# KiCad board DIP8breakout+potToUSB.kicad_pcb (continued)
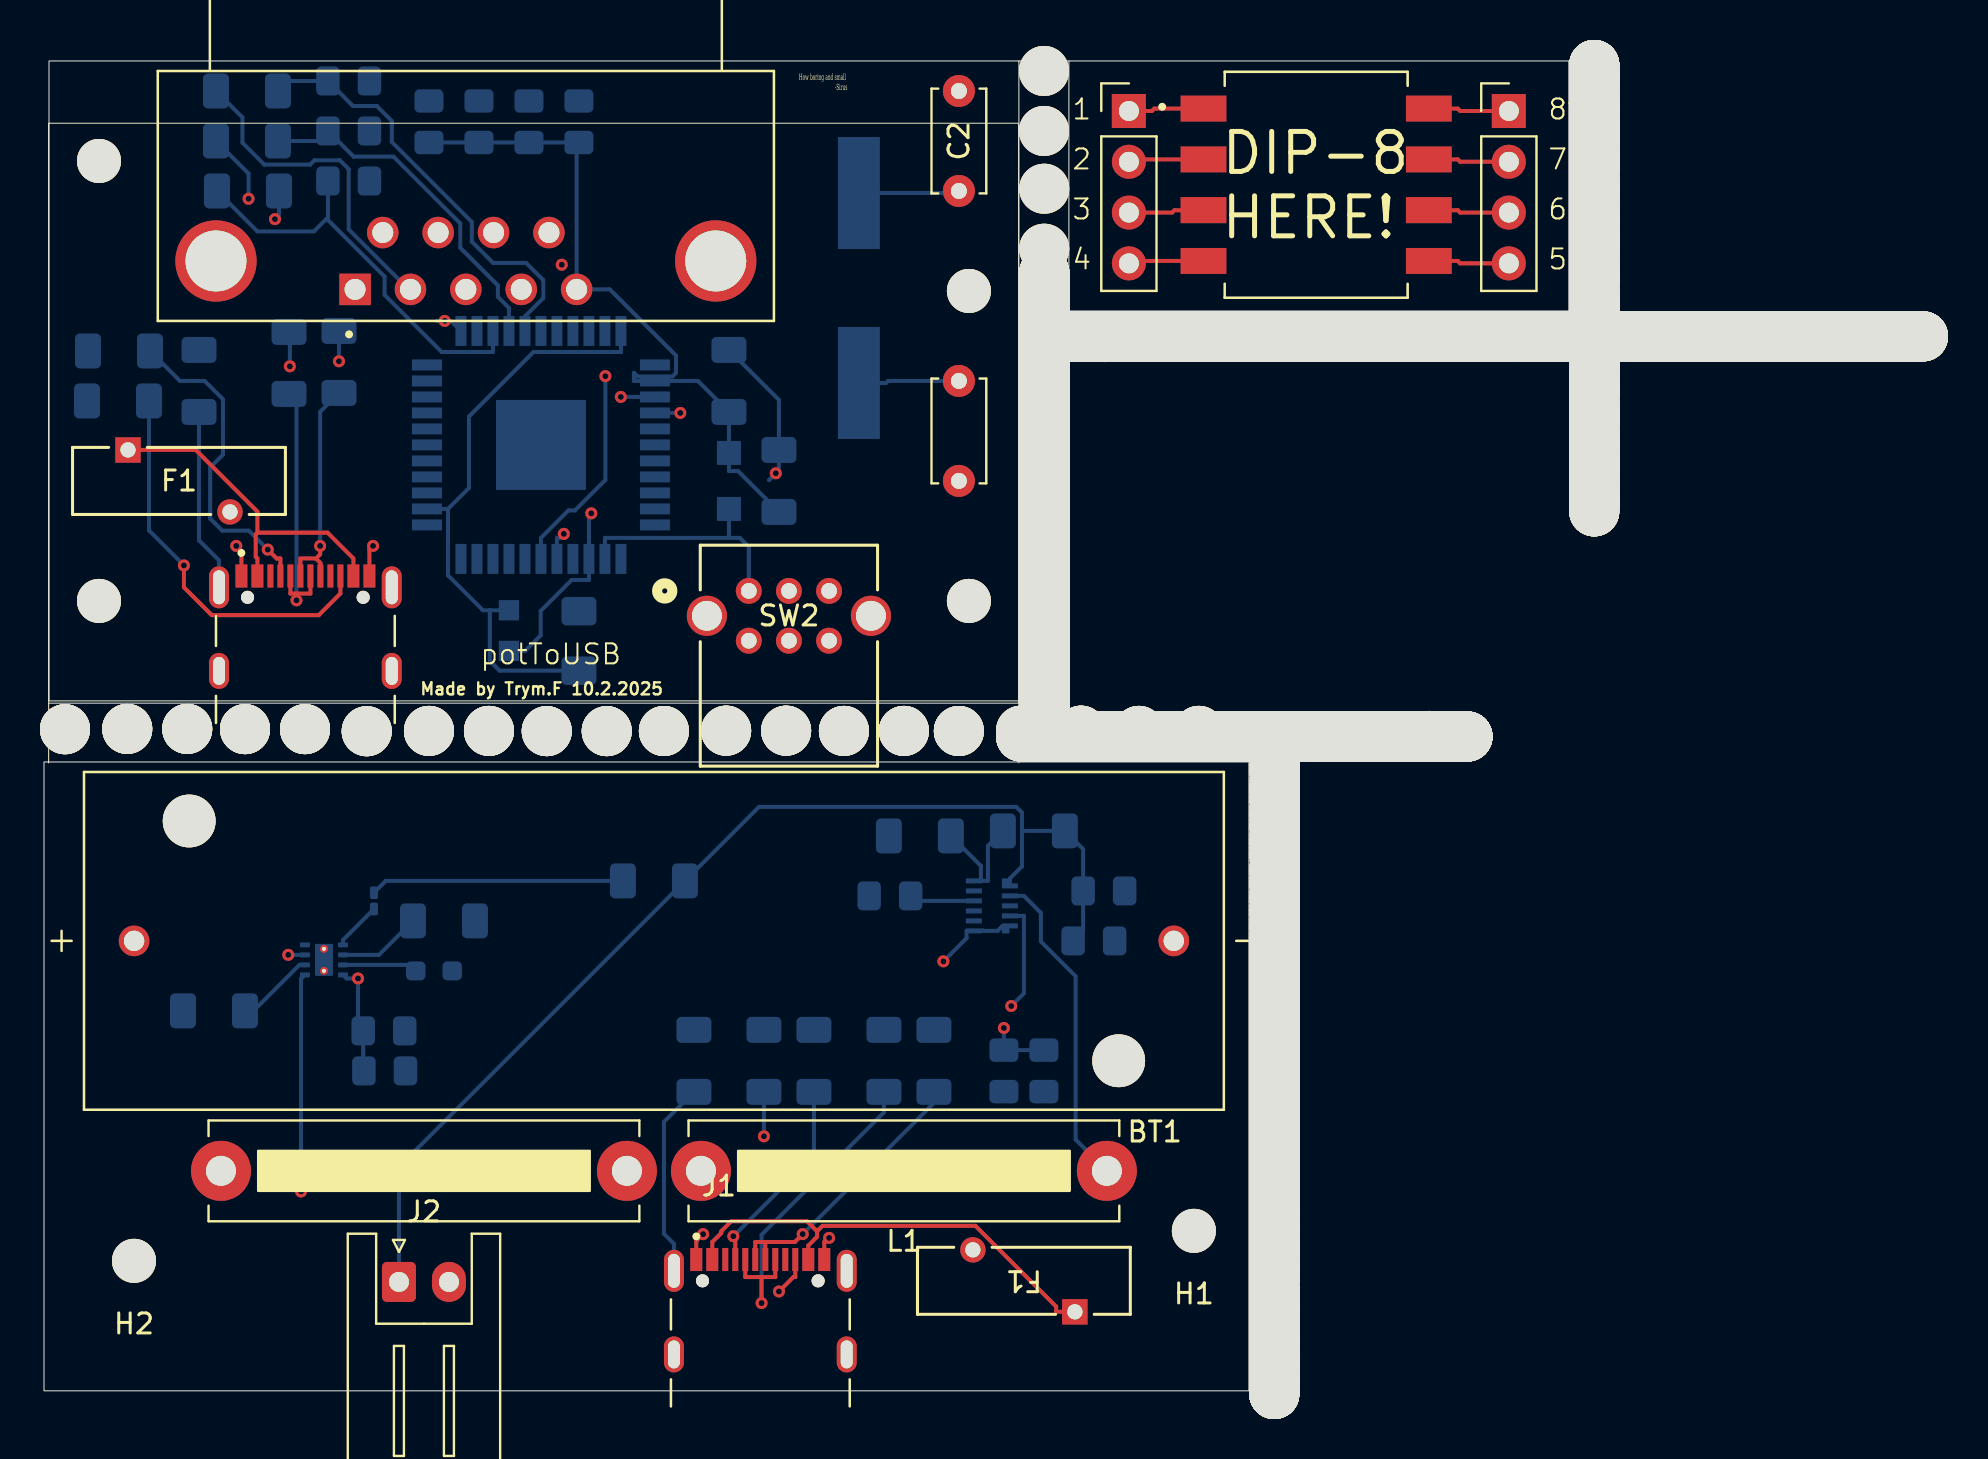
[diagram p0: board, top side]
## Placement (name value [footprint] x y rotation side) (continued)
NOREF#3302  -  [unnamed]  68.92 32.72 0 top
NOREF#3303  -  [unnamed]  77.52 65.9 90 top
NOREF#3304  -  [unnamed]  61.52 14.72 270 top
NOREF#3305  -  [unnamed]  93.76 52.73 180 top
NOREF#3306  -  [unnamed]  55.36 32.72 0 top
NOREF#3307  -  [unnamed]  77.52 53.04 90 top
NOREF#3308  -  [unnamed]  61.52 9.64 270 top
NOREF#3309  -  [unnamed]  77.52 57.3 90 top
NOREF#3310  -  [unnamed]  55.76 32.72 0 top
NOREF#3311  -  [unnamed]  77.52 46.44 90 top
NOREF#3312  -  [unnamed]  61.18 32.72 0 top
NOREF#3313  -  [unnamed]  72.38 52.73 180 top
NOREF#3314  -  [unnamed]  66.74 52.73 180 top
NOREF#3315  -  [unnamed]  61.55 29.47 90 top
NOREF#3316  -  [unnamed]  61.78 52.73 180 top
NOREF#3317  -  [unnamed]  61.55 21.07 90 top
NOREF#3318  -  [unnamed]  61.52 2.1 270 top
NOREF#3319  -  [unnamed]  52.72 52.73 180 top
NOREF#3320  -  [unnamed]  70.98 52.73 180 top
NOREF#3321  -  [unnamed]  59.72 32.72 0 top
NOREF#3322  -  [unnamed]  50.02 53.45 90 top
NOREF#3323  -  [unnamed]  73.24 52.73 180 top
NOREF#3324  -  [unnamed]  69.78 32.72 0 top
NOREF#3325  -  [unnamed]  50.02 49.87 90 top
NOREF#3326  -  [unnamed]  61.52 11.96 270 top
NOREF#3327  -  [unnamed]  61.52 0.04 270 top
NOREF#3328  -  [unnamed]  90.8 52.73 180 top
NOREF#3329  -  [unnamed]  61.55 21.07 90 top
NOREF#3330  -  [unnamed]  79.74 52.73 180 top
NOREF#3331  -  [unnamed]  59.52 52.73 180 top
NOREF#3332  -  [unnamed]  50.02 45.05 90 top
NOREF#3333  -  [unnamed]  63.08 32.72 0 top
NOREF#3334  -  [unnamed]  77.52 58 90 top
NOREF#3335  -  [unnamed]  61.55 19.07 90 top
NOREF#3336  -  [unnamed]  61.52 18.54 270 top
NOREF#3337  -  [unnamed]  87.92 52.73 180 top
NOREF#3338  -  [unnamed]  72.04 52.73 180 top
NOREF#3339  -  [unnamed]  61.55 31.07 90 top
NOREF#3340  -  [unnamed]  93.36 52.73 180 top
NOREF#3341  -  [unnamed]  50.86 32.72 0 top
NOREF#3342  -  [unnamed]  63.74 32.72 0 top
NOREF#3343  -  [unnamed]  77.52 52.58 90 top
NOREF#3344  -  [unnamed]  69.58 32.72 0 top
NOREF#3345  -  [unnamed]  50.02 49.87 90 top
NOREF#3346  -  [unnamed]  61.55 29.17 90 top
NOREF#3347  -  [unnamed]  61.52 11.3 270 top
NOREF#3348  -  [unnamed]  87.72 52.73 180 top
NOREF#3349  -  [unnamed]  50.02 45.25 90 top
NOREF#3350  -  [unnamed]  77.52 55.84 90 top
NOREF#3351  -  [unnamed]  82.9 52.73 180 top
NOREF#3352  -  [unnamed]  61.52 20.36 270 top
NOREF#3353  -  [unnamed]  61.55 26.91 90 top
NOREF#3354  -  [unnamed]  61.55 31.73 90 top
NOREF#3355  -  [unnamed]  58.12 32.72 0 top
NOREF#3356  -  [unnamed]  61.55 22.67 90 top
NOREF#3357  -  [unnamed]  61.52 3.46 270 top
NOREF#3358  -  [unnamed]  68.92 32.72 0 top
NOREF#3359  -  [unnamed]  87.06 52.73 180 top
NOREF#3360  -  [unnamed]  61.52 12.7 270 top
NOREF#3361  -  [unnamed]  85.36 52.73 180 top
NOREF#3362  -  [unnamed]  61.52 8.44 270 top
NOREF#3363  -  [unnamed]  72.84 52.73 180 top
NOREF#3364  -  [unnamed]  66.2 52.73 180 top
NOREF#3365  -  [unnamed]  61.55 11.87 90 top
NOREF#3366  -  [unnamed]  49.72 32.72 0 top
NOREF#3367  -  [unnamed]  77.52 65.9 90 top
NOREF#3368  -  [unnamed]  61.55 30.87 90 top
NOREF#3369  -  [unnamed]  78.88 52.73 180 top
NOREF#3370  -  [unnamed]  77.52 48.54 90 top
NOREF#3371  -  [unnamed]  61.52 15.86 270 top
NOREF#3372  -  [unnamed]  61.55 25.43 90 top
NOREF#3373  -  [unnamed]  50.02 36.05 90 top
NOREF#3374  -  [unnamed]  77.52 45.78 90 top
NOREF#3375  -  [unnamed]  72.38 52.73 180 top
NOREF#3376  -  [unnamed]  61.52 1.44 270 top
NOREF#3377  -  [unnamed]  73.24 52.73 180 top
NOREF#3378  -  [unnamed]  54.08 32.72 0 top
NOREF#3379  -  [unnamed]  88.74 52.73 180 top
NOREF#3380  -  [unnamed]  61.52 10.04 270 top
NOREF#3381  -  [unnamed]  61.52 11.3 270 top
NOREF#3382  -  [unnamed]  52.02 32.72 0 top
NOREF#3383  -  [unnamed]  51.32 52.73 180 top
NOREF#3384  -  [unnamed]  50.02 47.81 90 top
NOREF#3385  -  [unnamed]  77.48 52.73 180 top
NOREF#3386  -  [unnamed]  88.94 52.73 180 top
NOREF#3387  -  [unnamed]  65.96 32.72 0 top
NOREF#3388  -  [unnamed]  87.66 52.73 180 top
NOREF#3389  -  [unnamed]  52.18 52.73 180 top
NOREF#3390  -  [unnamed]  63.28 32.72 0 top
NOREF#3391  -  [unnamed]  77.52 61.74 90 top
NOREF#3392  -  [unnamed]  61.55 14.17 90 top
NOREF#3393  -  [unnamed]  50.02 38.81 90 top
NOREF#3394  -  [unnamed]  50.02 41.23 90 top
NOREF#3395  -  [unnamed]  50.02 42.39 90 top
NOREF#3396  -  [unnamed]  61.52 12.36 270 top
NOREF#3397  -  [unnamed]  61.55 26.91 90 top
NOREF#3398  -  [unnamed]  77.52 50.48 90 top
NOREF#3399  -  [unnamed]  50.02 43.05 90 top
NOREF#3400  -  [unnamed]  77.52 50.88 90 top
NOREF#3401  -  [unnamed]  57.66 32.72 0 top
NOREF#3402  -  [unnamed]  77.52 47.34 90 top
NOREF#3403  -  [unnamed]  61.55 31.53 90 top
NOREF#3404  -  [unnamed]  61.52 4.86 270 top
NOREF#3405  -  [unnamed]  93.96 52.73 180 top
NOREF#3406  -  [unnamed]  83.96 52.73 180 top
NOREF#3407  -  [unnamed]  76 52.73 180 top
NOREF#3408  -  [unnamed]  65.54 32.72 0 top
NOREF#3409  -  [unnamed]  50.02 47.81 90 top
NOREF#3410  -  [unnamed]  77.52 59.8 90 top
NOREF#3411  -  [unnamed]  50.02 50.27 90 top
NOREF#3412  -  [unnamed]  71.18 52.73 180 top
NOREF#3413  -  [unnamed]  74.8 52.73 180 top
NOREF#3414  -  [unnamed]  60.52 32.72 0 top
NOREF#3415  -  [unnamed]  61.55 20.27 90 top
NOREF#3416  -  [unnamed]  77.52 63.34 90 top
NOREF#3417  -  [unnamed]  57.62 52.73 180 top
NOREF#3418  -  [unnamed]  61.52 10.5 270 top
NOREF#3419  -  [unnamed]  61.55 21.93 90 top
NOREF#3420  -  [unnamed]  77.52 56.64 90 top
NOREF#3421  -  [unnamed]  51.82 32.72 0 top
NOREF#3422  -  [unnamed]  77.52 53.44 90 top
NOREF#3423  -  [unnamed]  50.02 44.65 90 top
NOREF#3424  -  [unnamed]  61.52 3 270 top
NOREF#3425  -  [unnamed]  61.55 18.61 90 top
NOREF#3426  -  [unnamed]  50.02 48.47 90 top
NOREF#3427  -  [unnamed]  77.52 56.5 90 top
NOREF#3428  -  [unnamed]  58.16 52.73 180 top
NOREF#3429  -  [unnamed]  61.55 30.33 90 top
NOREF#3430  -  [unnamed]  61.55 31.93 90 top
NOREF#3431  -  [unnamed]  52.02 32.72 0 top
NOREF#3432  -  [unnamed]  77.68 52.73 180 top
NOREF#3433  -  [unnamed]  77.52 66.3 90 top
NOREF#3434  -  [unnamed]  61.52 11.5 270 top
NOREF#3435  -  [unnamed]  77.52 57.7 90 top
NOREF#3436  -  [unnamed]  77.52 56.5 90 top
NOREF#3437  -  [unnamed]  61.55 11.61 90 top
NOREF#3438  -  [unnamed]  64.18 52.73 180 top
NOREF#3439  -  [unnamed]  59.02 52.73 180 top
NOREF#3440  -  [unnamed]  91.96 52.73 180 top
NOREF#3441  -  [unnamed]  61.52 5.68 270 top
NOREF#3442  -  [unnamed]  70.78 32.72 0 top
NOREF#3443  -  [unnamed]  61.55 12.97 90 top
NOREF#3444  -  [unnamed]  50.02 49.87 90 top
NOREF#3445  -  [unnamed]  60.78 32.72 0 top
NOREF#3446  -  [unnamed]  71.84 52.73 180 top
NOREF#3447  -  [unnamed]  65.14 32.72 0 top
NOREF#3448  -  [unnamed]  77.88 52.73 180 top
NOREF#3449  -  [unnamed]  93.56 52.73 180 top
NOREF#3450  -  [unnamed]  89.94 52.73 180 top
NOREF#3451  -  [unnamed]  70.98 52.73 180 top
NOREF#3452  -  [unnamed]  79.94 52.73 180 top
NOREF#3453  -  [unnamed]  49.46 32.72 0 top
NOREF#3454  -  [unnamed]  77.52 48.34 90 top
NOREF#3455  -  [unnamed]  61.52 1.44 270 top
NOREF#3456  -  [unnamed]  50.02 55.71 90 top
NOREF#3457  -  [unnamed]  60.38 52.73 180 top
NOREF#3458  -  [unnamed]  61.52 11.96 270 top
NOREF#3459  -  [unnamed]  74.8 52.73 180 top
NOREF#3460  -  [unnamed]  77.52 48.54 90 top
NOREF#3461  -  [unnamed]  85.36 52.73 180 top
NOREF#3462  -  [unnamed]  50.02 43.99 90 top
NOREF#3463  -  [unnamed]  87.46 52.73 180 top
NOREF#3464  -  [unnamed]  61.52 16.12 270 top
NOREF#3465  -  [unnamed]  57.82 52.73 180 top
NOREF#3466  -  [unnamed]  61.52 7.74 270 top
NOREF#3467  -  [unnamed]  61.55 24.49 90 top
NOREF#3468  -  [unnamed]  77.52 63.54 90 top
NOREF#3469  -  [unnamed]  84.96 52.73 180 top
NOREF#3470  -  [unnamed]  73.24 52.73 180 top
NOREF#3471  -  [unnamed]  61.52 15.86 270 top
NOREF#3472  -  [unnamed]  77.52 64.04 90 top
NOREF#3473  -  [unnamed]  61.55 10.47 90 top
NOREF#3474  -  [unnamed]  61.55 13.63 90 top
NOREF#3475  -  [unnamed]  50.02 49.21 90 top
NOREF#3476  -  [unnamed]  61.52 11.3 270 top
NOREF#3477  -  [unnamed]  50.02 50.89 90 top
NOREF#3478  -  [unnamed]  62.38 32.72 0 top
NOREF#3479  -  [unnamed]  51.32 52.73 180 top
NOREF#3480  -  [unnamed]  52.02 32.72 0 top
NOREF#3481  -  [unnamed]  61.55 26.91 90 top
NOREF#3482  -  [unnamed]  61.55 14.43 90 top
NOREF#3483  -  [unnamed]  77.52 46.64 90 top
NOREF#3484  -  [unnamed]  77.52 45.04 90 top
NOREF#3485  -  [unnamed]  60.72 32.72 0 top
NOREF#3486  -  [unnamed]  61.52 3 270 top
NOREF#3487  -  [unnamed]  87.26 52.73 180 top
NOREF#3488  -  [unnamed]  61.92 32.72 0 top
NOREF#3489  -  [unnamed]  88.74 52.73 180 top
NOREF#3490  -  [unnamed]  61.52 6.14 270 top
NOREF#3491  -  [unnamed]  77.52 60.26 90 top
NOREF#3492  -  [unnamed]  77.52 54.84 90 top
NOREF#3493  -  [unnamed]  54.74 52.73 180 top
NOREF#3494  -  [unnamed]  50.46 32.72 0 top
NOREF#3495  -  [unnamed]  61.52 21.76 270 top
NOREF#3496  -  [unnamed]  73.04 52.73 180 top
NOREF#3497  -  [unnamed]  77.52 45.78 90 top
NOREF#3498  -  [unnamed]  69.58 32.72 0 top
NOREF#3499  -  [unnamed]  61.55 20.27 90 top
NOREF#3500  -  [unnamed]  61.52 14.06 270 top
NOREF#3501  -  [unnamed]  61.55 24.49 90 top
NOREF#3502  -  [unnamed]  77.52 55.44 90 top
NOREF#3503  -  [unnamed]  93.36 52.73 180 top
NOREF#3504  -  [unnamed]  50.66 32.72 0 top
NOREF#3505  -  [unnamed]  77.52 59.4 90 top
NOREF#3506  -  [unnamed]  50.02 33.99 90 top
NOREF#3507  -  [unnamed]  50.02 36.55 90 top
NOREF#3508  -  [unnamed]  68.42 52.73 180 top
NOREF#3509  -  [unnamed]  81.64 52.73 180 top
NOREF#3510  -  [unnamed]  93.96 52.73 180 top
NOREF#3511  -  [unnamed]  61.52 9.64 270 top
NOREF#3512  -  [unnamed]  57.62 52.73 180 top
NOREF#3513  -  [unnamed]  77.52 51.22 90 top
NOREF#3514  -  [unnamed]  77.52 60 90 top
NOREF#3515  -  [unnamed]  50.02 50.69 90 top
NOREF#3516  -  [unnamed]  52.38 52.73 180 top
NOREF#3517  -  [unnamed]  85.86 52.73 180 top
NOREF#3518  -  [unnamed]  50.02 44.45 90 top
NOREF#3519  -  [unnamed]  61.52 7.74 270 top
NOREF#3520  -  [unnamed]  70.12 32.72 0 top
NOREF#3521  -  [unnamed]  64.28 32.72 0 top
NOREF#3522  -  [unnamed]  81.44 52.73 180 top
NOREF#3523  -  [unnamed]  77.52 49.62 90 top
NOREF#3524  -  [unnamed]  61.12 52.73 180 top
NOREF#3525  -  [unnamed]  61.55 13.97 90 top
NOREF#3526  -  [unnamed]  61.52 3.46 270 top
NOREF#3527  -  [unnamed]  61.55 18.87 90 top
NOREF#3528  -  [unnamed]  77.52 60.66 90 top
NOREF#3529  -  [unnamed]  61.52 2.1 270 top
NOREF#3530  -  [unnamed]  61.52 21.1 270 top
NOREF#3531  -  [unnamed]  68.62 52.73 180 top
NOREF#3532  -  [unnamed]  51.32 52.73 180 top
NOREF#3533  -  [unnamed]  77.52 45.04 90 top
NOREF#3534  -  [unnamed]  61.52 15.92 270 top
NOREF#3535  -  [unnamed]  83.1 52.73 180 top
NOREF#3536  -  [unnamed]  77.52 56.3 90 top
NOREF#3537  -  [unnamed]  50.02 45.25 90 top
NOREF#3538  -  [unnamed]  58.02 52.73 180 top
NOREF#3539  -  [unnamed]  61.55 24.49 90 top
NOREF#3540  -  [unnamed]  62.78 52.73 180 top
NOREF#3541  -  [unnamed]  61.55 24.49 90 top
NOREF#3542  -  [unnamed]  80.24 52.73 180 top
NOREF#3543  -  [unnamed]  61.55 10.47 90 top
NOREF#3544  -  [unnamed]  61.52 14.06 270 top
NOREF#3545  -  [unnamed]  61.52 10.5 270 top
NOREF#3546  -  [unnamed]  70.12 32.72 0 top
NOREF#3547  -  [unnamed]  61.52 19.7 270 top
NOREF#3548  -  [unnamed]  70.78 32.72 0 top
NOREF#3549  -  [unnamed]  61.55 24.29 90 top
NOREF#3550  -  [unnamed]  54.9 32.72 0 top
NOREF#3551  -  [unnamed]  50.02 48.01 90 top
NOREF#3552  -  [unnamed]  50.02 38.61 90 top
NOREF#3553  -  [unnamed]  93.76 52.73 180 top
NOREF#3554  -  [unnamed]  93.36 52.73 180 top
NOREF#3555  -  [unnamed]  50.02 51.55 90 top
NOREF#3556  -  [unnamed]  61.52 17.4 270 top
NOREF#3557  -  [unnamed]  61.52 2.1 270 top
NOREF#3558  -  [unnamed]  61.52 12.7 270 top
NOREF#3559  -  [unnamed]  67.6 52.73 180 top
NOREF#3560  -  [unnamed]  50.02 39.83 90 top
NOREF#3561  -  [unnamed]  57.46 32.72 0 top
NOREF#3562  -  [unnamed]  61.55 23.33 90 top
NOREF#3563  -  [unnamed]  77.52 58.4 90 top
NOREF#3564  -  [unnamed]  77.52 65.64 90 top
NOREF#3565  -  [unnamed]  59.72 52.73 180 top
NOREF#3566  -  [unnamed]  50.02 45.45 90 top
NOREF#3567  -  [unnamed]  51.82 32.72 0 top
NOREF#3568  -  [unnamed]  72.24 52.73 180 top
NOREF#3569  -  [unnamed]  61.55 28.77 90 top
NOREF#3570  -  [unnamed]  59.72 32.72 0 top
NOREF#3571  -  [unnamed]  61.52 6.88 270 top
NOREF#3572  -  [unnamed]  68.88 52.73 180 top
NOREF#3573  -  [unnamed]  61.52 0.04 270 top
NOREF#3574  -  [unnamed]  82.1 52.73 180 top
NOREF#3575  -  [unnamed]  50.02 35.39 90 top
NOREF#3576  -  [unnamed]  50.02 55.05 90 top
NOREF#3577  -  [unnamed]  61.55 20.47 90 top
NOREF#3578  -  [unnamed]  77.52 58.2 90 top
NOREF#3579  -  [unnamed]  51.32 32.72 0 top
NOREF#3580  -  [unnamed]  92.36 52.73 180 top
NOREF#3581  -  [unnamed]  50.02 36.95 90 top
NOREF#3582  -  [unnamed]  77.52 56.1 90 top
NOREF#3583  -  [unnamed]  70.08 52.73 180 top
NOREF#3584  -  [unnamed]  70.48 52.73 180 top
NOREF#3585  -  [unnamed]  61.55 22.13 90 top
NOREF#3586  -  [unnamed]  77.52 57.24 90 top
NOREF#3587  -  [unnamed]  61.52 8.64 270 top
NOREF#3588  -  [unnamed]  50.02 45.71 90 top
NOREF#3589  -  [unnamed]  51.78 52.73 180 top
NOREF#3590  -  [unnamed]  58.36 52.73 180 top
NOREF#3591  -  [unnamed]  67.76 32.72 0 top
NOREF#3592  -  [unnamed]  60.98 32.72 0 top
NOREF#3593  -  [unnamed]  50.02 43.25 90 top
NOREF#3594  -  [unnamed]  77.52 61.08 90 top
NOREF#3595  -  [unnamed]  77.52 51.42 90 top
NOREF#3596  -  [unnamed]  77.52 56.3 90 top
NOREF#3597  -  [unnamed]  61.52 19.2 270 top
NOREF#3598  -  [unnamed]  61.55 29.47 90 top
NOREF#3599  -  [unnamed]  65.34 32.72 0 top
NOREF#3600  -  [unnamed]  66.16 32.72 0 top
NOREF#3601  -  [unnamed]  77.52 50.48 90 top
NOREF#3602  -  [unnamed]  57.42 52.73 180 top
NOREF#3603  -  [unnamed]  76.66 52.73 180 top
NOREF#3604  -  [unnamed]  50.02 41.89 90 top
NOREF#3605  -  [unnamed]  50.02 36.75 90 top
NOREF#3606  -  [unnamed]  68.02 52.73 180 top
NOREF#3607  -  [unnamed]  61.55 28.11 90 top
NOREF#3608  -  [unnamed]  77.52 61.94 90 top
NOREF#3609  -  [unnamed]  61.52 1.84 270 top
NOREF#3610  -  [unnamed]  61.52 9.3 270 top
NOREF#3611  -  [unnamed]  61.55 17.05 90 top
NOREF#3612  -  [unnamed]  61.55 16.85 90 top
NOREF#3613  -  [unnamed]  50.02 54.51 90 top
NOREF#3614  -  [unnamed]  55.36 32.72 0 top
NOREF#3615  -  [unnamed]  61.52 1.44 270 top
NOREF#3616  -  [unnamed]  93.1 52.73 180 top
NOREF#3617  -  [unnamed]  50.02 51.35 90 top
NOREF#3618  -  [unnamed]  61.52 15.66 270 top
NOREF#3619  -  [unnamed]  50.02 54.85 90 top
NOREF#3620  -  [unnamed]  50.02 34.65 90 top
NOREF#3621  -  [unnamed]  61.55 19.27 90 top
NOREF#3622  -  [unnamed]  60.18 52.73 180 top
NOREF#3623  -  [unnamed]  50.02 49.61 90 top
NOREF#3624  -  [unnamed]  90.34 52.73 180 top
NOREF#3625  -  [unnamed]  50.02 48.01 90 top
NOREF#3626  -  [unnamed]  69.42 52.73 180 top
NOREF#3627  -  [unnamed]  92.36 52.73 180 top
NOREF#3628  -  [unnamed]  64.68 32.72 0 top
NOREF#3629  -  [unnamed]  61.52 8.14 270 top
NOREF#3630  -  [unnamed]  77.52 47.34 90 top
NOREF#3631  -  [unnamed]  58.56 52.73 180 top
NOREF#3632  -  [unnamed]  53.18 52.73 180 top
NOREF#3633  -  [unnamed]  61.55 16.31 90 top
NOREF#3634  -  [unnamed]  53.38 52.73 180 top
NOREF#3635  -  [unnamed]  69.92 32.72 0 top
NOREF#3636  -  [unnamed]  85.16 52.73 180 top
NOREF#3637  -  [unnamed]  77.52 46.24 90 top
NOREF#3638  -  [unnamed]  59.22 52.73 180 top
NOREF#3639  -  [unnamed]  53.88 32.72 0 top
NOREF#3640  -  [unnamed]  85.86 52.73 180 top
NOREF#3641  -  [unnamed]  50.02 47.31 90 top
NOREF#3642  -  [unnamed]  61.52 16.32 270 top
NOREF#3643  -  [unnamed]  61.55 12.77 90 top
NOREF#3644  -  [unnamed]  87.26 52.73 180 top
NOREF#3645  -  [unnamed]  61.55 23.33 90 top
NOREF#3646  -  [unnamed]  50.02 43.05 90 top
NOREF#3647  -  [unnamed]  61.52 9.84 270 top
NOREF#3648  -  [unnamed]  50.02 46.11 90 top
NOREF#3649  -  [unnamed]  77.52 56.1 90 top
NOREF#3650  -  [unnamed]  66.2 52.73 180 top
NOREF#3651  -  [unnamed]  61.52 20.16 270 top
NOREF#3652  -  [unnamed]  52.18 52.73 180 top
NOREF#3653  -  [unnamed]  55.68 52.73 180 top
NOREF#3654  -  [unnamed]  70.78 32.72 0 top
NOREF#3655  -  [unnamed]  65.8 52.73 180 top
NOREF#3656  -  [unnamed]  61.55 11.41 90 top
NOREF#3657  -  [unnamed]  72.38 52.73 180 top
NOREF#3658  -  [unnamed]  63.44 52.73 180 top
NOREF#3659  -  [unnamed]  77.52 45.58 90 top
NOREF#3660  -  [unnamed]  64.38 52.73 180 top
NOREF#3661  -  [unnamed]  83.96 52.73 180 top
NOREF#3662  -  [unnamed]  50.02 47.11 90 top
NOREF#3663  -  [unnamed]  54.94 52.73 180 top
NOREF#3664  -  [unnamed]  61.78 52.73 180 top
NOREF#3665  -  [unnamed]  64.84 52.73 180 top
NOREF#3666  -  [unnamed]  90.8 52.73 180 top
NOREF#3667  -  [unnamed]  77.52 50.22 90 top
NOREF#3668  -  [unnamed]  57.66 32.72 0 top
NOREF#3669  -  [unnamed]  77.52 45.04 90 top
NOREF#3670  -  [unnamed]  77.52 64.7 90 top
NOREF#3671  -  [unnamed]  84.7 52.73 180 top
NOREF#3672  -  [unnamed]  51.52 52.73 180 top
NOREF#3673  -  [unnamed]  77.52 66.1 90 top
NOREF#3674  -  [unnamed]  61.52 1.24 270 top
NOREF#3675  -  [unnamed]  61.55 28.31 90 top
NOREF#3676  -  [unnamed]  53.88 52.73 180 top
NOREF#3677  -  [unnamed]  56.96 52.73 180 top
NOREF#3678  -  [unnamed]  50.02 53.91 90 top
NOREF#3679  -  [unnamed]  60.52 32.72 0 top
NOREF#3680  -  [unnamed]  77.52 47.8 90 top
NOREF#3681  -  [unnamed]  77.52 53.24 90 top
NOREF#3682  -  [unnamed]  61.55 29.87 90 top
NOREF#3683  -  [unnamed]  65.34 52.73 180 top
NOREF#3684  -  [unnamed]  77.52 45.38 90 top
NOREF#3685  -  [unnamed]  61.55 17.31 90 top
NOREF#3686  -  [unnamed]  61.52 19.7 270 top
NOREF#3687  -  [unnamed]  65.14 32.72 0 top
NOREF#3688  -  [unnamed]  92.9 52.73 180 top
NOREF#3689  -  [unnamed]  77.52 59.8 90 top
NOREF#3690  -  [unnamed]  61.52 3 270 top
NOREF#3691  -  [unnamed]  63.08 32.72 0 top
NOREF#3692  -  [unnamed]  55.68 52.73 180 top
NOREF#3693  -  [unnamed]  58.36 52.73 180 top
NOREF#3694  -  [unnamed]  50.02 55.05 90 top
NOREF#3695  -  [unnamed]  61.52 0.24 270 top
NOREF#3696  -  [unnamed]  61.55 20.47 90 top
NOREF#3697  -  [unnamed]  61.52 19.5 270 top
NOREF#3698  -  [unnamed]  66.36 32.72 0 top
NOREF#3699  -  [unnamed]  74.8 52.73 180 top
NOREF#3700  -  [unnamed]  70.78 52.73 180 top
NOREF#3701  -  [unnamed]  67.56 32.72 0 top
NOREF#3702  -  [unnamed]  50.02 51.15 90 top
NOREF#3703  -  [unnamed]  73.44 52.73 180 top
NOREF#3704  -  [unnamed]  61.55 21.93 90 top
NOREF#3705  -  [unnamed]  70.48 52.73 180 top
NOREF#3706  -  [unnamed]  64.14 32.72 0 top
NOREF#3707  -  [unnamed]  61.52 9.1 270 top
NOREF#3708  -  [unnamed]  50.02 41.23 90 top
NOREF#3709  -  [unnamed]  50.02 55.25 90 top
NOREF#3710  -  [unnamed]  50.02 38.81 90 top
NOREF#3711  -  [unnamed]  70.98 52.73 180 top
NOREF#3712  -  [unnamed]  61.52 19.7 270 top
NOREF#3713  -  [unnamed]  60.18 52.73 180 top
NOREF#3714  -  [unnamed]  87.26 52.73 180 top
NOREF#3715  -  [unnamed]  61.52 13.56 270 top
NOREF#3716  -  [unnamed]  61.55 17.05 90 top
NOREF#3717  -  [unnamed]  54.94 52.73 180 top
NOREF#3718  -  [unnamed]  61.52 16.32 270 top
NOREF#3719  -  [unnamed]  61.52 14.26 270 top
NOREF#3720  -  [unnamed]  61.52 2.6 270 top
NOREF#3721  -  [unnamed]  69.12 32.72 0 top
NOREF#3722  -  [unnamed]  90.6 52.73 180 top
NOREF#3723  -  [unnamed]  80.24 52.73 180 top
NOREF#3724  -  [unnamed]  61.52 0.24 270 top
NOREF#3725  -  [unnamed]  77.52 59.26 90 top
NOREF#3726  -  [unnamed]  64.64 52.73 180 top
NOREF#3727  -  [unnamed]  89.4 52.73 180 top
NOREF#3728  -  [unnamed]  69.82 52.73 180 top
NOREF#3729  -  [unnamed]  61.55 23.13 90 top
NOREF#3730  -  [unnamed]  62.78 52.73 180 top
NOREF#3731  -  [unnamed]  61.52 1.9 270 top
NOREF#3732  -  [unnamed]  50.02 33.99 90 top
NOREF#3733  -  [unnamed]  90.8 52.73 180 top
NOREF#3734  -  [unnamed]  61.55 31.53 90 top
NOREF#3735  -  [unnamed]  77.52 65.64 90 top
NOREF#3736  -  [unnamed]  77.52 66.1 90 top
NOREF#3737  -  [unnamed]  50.02 44.65 90 top
NOREF#3738  -  [unnamed]  61.55 29.93 90 top
NOREF#3739  -  [unnamed]  61.32 52.73 180 top
NOREF#3740  -  [unnamed]  50.02 46.25 90 top
NOREF#3741  -  [unnamed]  58.36 52.73 180 top
NOREF#3742  -  [unnamed]  50.02 46.85 90 top
NOREF#3743  -  [unnamed]  59.52 32.72 0 top
NOREF#3744  -  [unnamed]  55.76 32.72 0 top
NOREF#3745  -  [unnamed]  73.24 52.73 180 top
NOREF#3746  -  [unnamed]  77.52 48.74 90 top
NOREF#3747  -  [unnamed]  83.1 52.73 180 top
NOREF#3748  -  [unnamed]  59.52 32.72 0 top
NOREF#3749  -  [unnamed]  61.55 29.47 90 top
NOREF#3750  -  [unnamed]  77.52 51.22 90 top
NOREF#3751  -  [unnamed]  69.92 32.72 0 top
NOREF#3752  -  [unnamed]  61.52 0.44 270 top
NOREF#3753  -  [unnamed]  63.24 52.73 180 top
NOREF#3754  -  [unnamed]  77.52 48.54 90 top
NOREF#3755  -  [unnamed]  67.76 32.72 0 top
NOREF#3756  -  [unnamed]  61.55 22.87 90 top
NOREF#3757  -  [unnamed]  59.92 32.72 0 top
NOREF#3758  -  [unnamed]  61.52 16.32 270 top
NOREF#3759  -  [unnamed]  77.52 47.14 90 top
NOREF#3760  -  [unnamed]  54.28 52.73 180 top
NOREF#3761  -  [unnamed]  61.52 5.68 270 top
NOREF#3762  -  [unnamed]  56.96 52.73 180 top
NOREF#3763  -  [unnamed]  77.52 59.6 90 top
NOREF#3764  -  [unnamed]  71.64 52.73 180 top
NOREF#3765  -  [unnamed]  61.55 20.67 90 top
NOREF#3766  -  [unnamed]  77.52 47.4 90 top
NOREF#3767  -  [unnamed]  61.32 52.73 180 top
NOREF#3768  -  [unnamed]  78.34 52.73 180 top
NOREF#3769  -  [unnamed]  83.1 52.73 180 top
NOREF#3770  -  [unnamed]  61.52 6.88 270 top
NOREF#3771  -  [unnamed]  76 52.73 180 top
NOREF#3772  -  [unnamed]  80.9 52.73 180 top
NOREF#3773  -  [unnamed]  77.52 64.3 90 top
NOREF#3774  -  [unnamed]  77.52 55.44 90 top
NOREF#3775  -  [unnamed]  79.54 52.73 180 top
NOREF#3776  -  [unnamed]  89.94 52.73 180 top
NOREF#3777  -  [unnamed]  61.52 13.36 270 top
NOREF#3778  -  [unnamed]  89.14 52.73 180 top
NOREF#3779  -  [unnamed]  69.12 32.72 0 top
NOREF#3780  -  [unnamed]  87.26 52.73 180 top
NOREF#3781  -  [unnamed]  78.88 52.73 180 top
NOREF#3782  -  [unnamed]  50.46 32.72 0 top
NOREF#3783  -  [unnamed]  61.52 2.3 270 top
NOREF#3784  -  [unnamed]  50.02 46.45 90 top
NOREF#3785  -  [unnamed]  58.16 52.73 180 top
NOREF#3786  -  [unnamed]  61.52 13.36 270 top
NOREF#3787  -  [unnamed]  53.38 52.73 180 top
NOREF#3788  -  [unnamed]  77.52 50.68 90 top
NOREF#3789  -  [unnamed]  61.52 16.12 270 top
NOREF#3790  -  [unnamed]  50.02 47.31 90 top
NOREF#3791  -  [unnamed]  73.24 52.73 180 top
NOREF#3792  -  [unnamed]  50.02 48.87 90 top
NOREF#3793  -  [unnamed]  50.02 47.31 90 top
NOREF#3794  -  [unnamed]  51.62 32.72 0 top
NOREF#3795  -  [unnamed]  50.02 34.85 90 top
NOREF#3796  -  [unnamed]  52.18 52.73 180 top
NOREF#3797  -  [unnamed]  50.02 52.29 90 top
NOREF#3798  -  [unnamed]  66.16 32.72 0 top
NOREF#3799  -  [unnamed]  71.84 52.73 180 top
NOREF#3800  -  [unnamed]  61.52 0.04 270 top
NOREF#3801  -  [unnamed]  55.56 32.72 0 top
NOREF#3802  -  [unnamed]  70.48 52.73 180 top
NOREF#3803  -  [unnamed]  61.55 28.97 90 top
NOREF#3804  -  [unnamed]  61.52 19.5 270 top
NOREF#3805  -  [unnamed]  84.3 52.73 180 top
NOREF#3806  -  [unnamed]  50.02 42.39 90 top
NOREF#3807  -  [unnamed]  61.55 21.93 90 top
NOREF#3808  -  [unnamed]  50.02 42.59 90 top
NOREF#3809  -  [unnamed]  50.02 47.81 90 top
NOREF#3810  -  [unnamed]  75.8 52.73 180 top
NOREF#3811  -  [unnamed]  61.52 3.26 270 top
NOREF#3812  -  [unnamed]  61.52 8.44 270 top
NOREF#3813  -  [unnamed]  60.52 32.72 0 top
NOREF#3814  -  [unnamed]  55.16 32.72 0 top
NOREF#3815  -  [unnamed]  50.02 40.49 90 top
NOREF#3816  -  [unnamed]  63.28 32.72 0 top
NOREF#3817  -  [unnamed]  61.55 12.77 90 top
NOREF#3818  -  [unnamed]  77.52 46.94 90 top
NOREF#3819  -  [unnamed]  80.7 52.73 180 top
NOREF#3820  -  [unnamed]  77.52 45.04 90 top
NOREF#3821  -  [unnamed]  73.24 52.73 180 top
NOREF#3822  -  [unnamed]  77.52 59.8 90 top
NOREF#3823  -  [unnamed]  64.44 52.73 180 top
NOREF#3824  -  [unnamed]  83.5 52.73 180 top
NOREF#3825  -  [unnamed]  61.52 21.76 270 top
NOREF#3826  -  [unnamed]  77.52 58.6 90 top
NOREF#3827  -  [unnamed]  58.86 32.72 0 top
NOREF#3828  -  [unnamed]  50.02 39.63 90 top
NOREF#3829  -  [unnamed]  50.02 43.25 90 top
NOREF#3830  -  [unnamed]  67.2 52.73 180 top
NOREF#3831  -  [unnamed]  54.7 32.72 0 top
NOREF#3832  -  [unnamed]  72.58 52.73 180 top
NOREF#3833  -  [unnamed]  69.42 52.73 180 top
NOREF#3834  -  [unnamed]  52.02 32.72 0 top
NOREF#3835  -  [unnamed]  61.52 8.44 270 top
NOREF#3836  -  [unnamed]  50.02 37.21 90 top
NOREF#3837  -  [unnamed]  54.08 32.72 0 top
NOREF#3838  -  [unnamed]  89.8 52.73 180 top
NOREF#3839  -  [unnamed]  52.88 32.72 0 top
NOREF#3840  -  [unnamed]  77.52 61.94 90 top
NOREF#3841  -  [unnamed]  61.55 13.97 90 top
NOREF#3842  -  [unnamed]  50.02 53.65 90 top
NOREF#3843  -  [unnamed]  61.55 27.17 90 top
NOREF#3844  -  [unnamed]  50.02 41.03 90 top
NOREF#3845  -  [unnamed]  61.55 21.47 90 top
NOREF#3846  -  [unnamed]  51.52 32.72 0 top
NOREF#3847  -  [unnamed]  53.38 52.73 180 top
NOREF#3848  -  [unnamed]  61.55 24.49 90 top
NOREF#3849  -  [unnamed]  61.52 3.26 270 top
NOREF#3850  -  [unnamed]  61.55 18.21 90 top
NOREF#3851  -  [unnamed]  77.52 47.14 90 top
NOREF#3852  -  [unnamed]  61.55 28.31 90 top
NOREF#3853  -  [unnamed]  60.58 52.73 180 top
NOREF#3854  -  [unnamed]  65.76 32.72 0 top
NOREF#3855  -  [unnamed]  61.52 11.7 270 top
